# KiCad board default.kicad_pcb (continued)
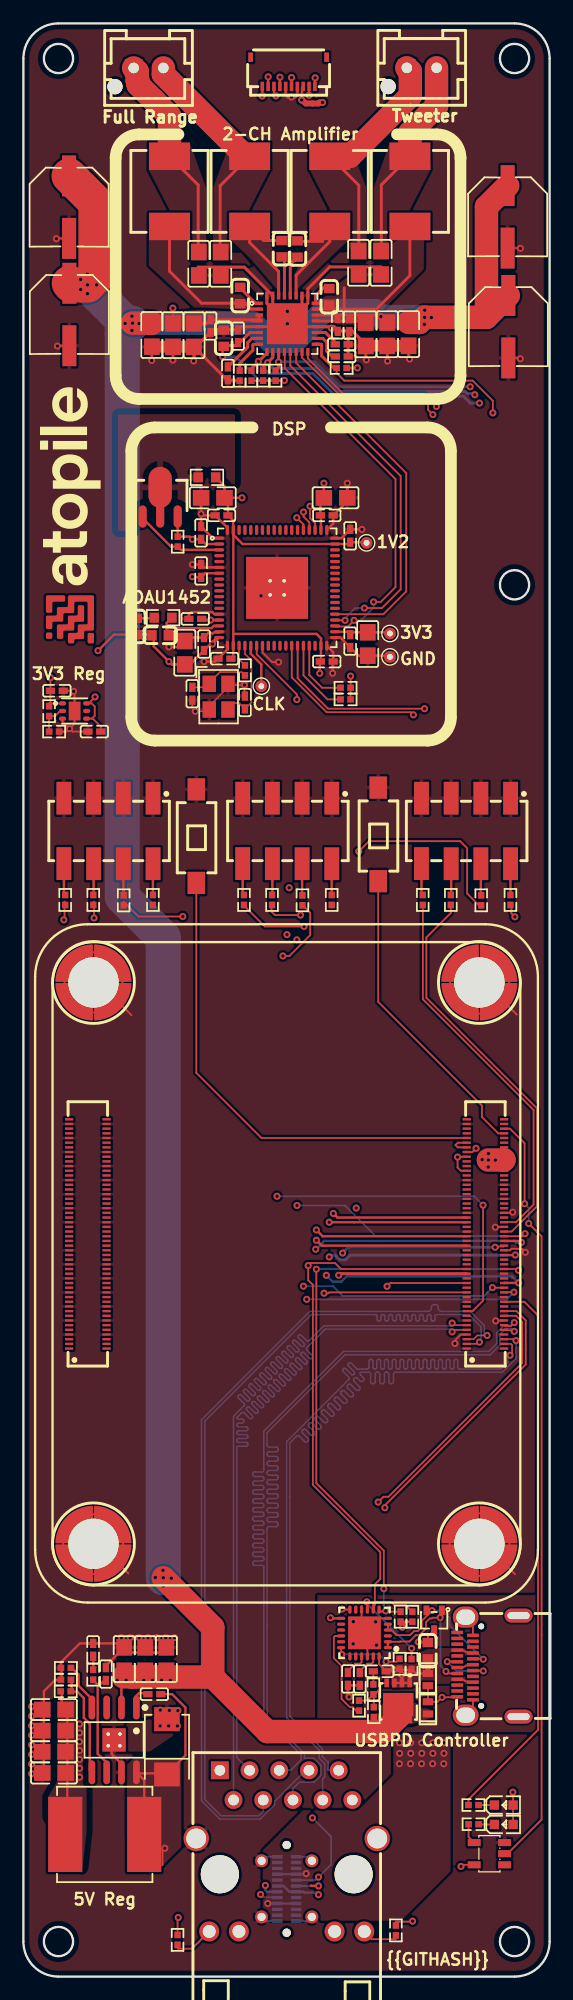
[diagram p0: board, top side]
## Library data of the parts (continued)
R28 = -: Datasheet: https://www.lcsc.com/datasheet/lcsc_datasheet_2206010216_UNI-ROYAL-Uniroyal-Elec-0402WGF1001TCE_C11702.pdf; checksum: eb5d8de69862a74833d082ba482c9c42baa94c5314705812978e3fb5c9b671f4; __atopile_lib_fp_hash__: e4c07550-8ad3-da56-fd91-a119e752eb6e; LCSC: C11702; Manufacturer: UNI-ROYAL(Uniroyal Elec); Partnumber: 0402WGF1001TCE; PARAM_max_power: {"type": "Quantity_Set_Discrete", "data": {"intervals": {"type": "Numeric_Interval_Disjoint", "data": {"intervals": [{"type": "Numeric_Interval", "data": {"min": 0.0625, "max": 0.0625}}]}}, "unit": "watt"}}; PARAM_max_voltage: {"type": "Quantity_Set_Discrete", "data": {"intervals": {"type": "Numeric_Interval_Disjoint", "data": {"intervals": [{"type": "Numeric_Interval", "data": {"min": 50.0, "max": 50.0}}]}}, "unit": "volt"}}; PARAM_resistance: {"type": "Quantity_Interval_Disjoint", "data": {"intervals": {"type": "Numeric_Interval_Disjoint", "data": {"intervals": [{"type": "Numeric_Interval", "data": {"min": 990.0000002235174, "max": 1009.9999997764826}}]}}, "unit": "ohm"}}; atopile_address: debug_headers[1].protection_resistors[1]; atopile_subaddresses: [.ato/modules/atopile/saleae-header/layouts/vertical/vertical.kicad_pcb:protection_resistors[1]]
R29 = -: Datasheet: https://www.lcsc.com/datasheet/lcsc_datasheet_2206010216_UNI-ROYAL-Uniroyal-Elec-0402WGF1001TCE_C11702.pdf; checksum: eb5d8de69862a74833d082ba482c9c42baa94c5314705812978e3fb5c9b671f4; __atopile_lib_fp_hash__: e4c07550-8ad3-da56-fd91-a119e752eb6e; LCSC: C11702; Manufacturer: UNI-ROYAL(Uniroyal Elec); Partnumber: 0402WGF1001TCE; PARAM_max_power: {"type": "Quantity_Set_Discrete", "data": {"intervals": {"type": "Numeric_Interval_Disjoint", "data": {"intervals": [{"type": "Numeric_Interval", "data": {"min": 0.0625, "max": 0.0625}}]}}, "unit": "watt"}}; PARAM_max_voltage: {"type": "Quantity_Set_Discrete", "data": {"intervals": {"type": "Numeric_Interval_Disjoint", "data": {"intervals": [{"type": "Numeric_Interval", "data": {"min": 50.0, "max": 50.0}}]}}, "unit": "volt"}}; PARAM_resistance: {"type": "Quantity_Interval_Disjoint", "data": {"intervals": {"type": "Numeric_Interval_Disjoint", "data": {"intervals": [{"type": "Numeric_Interval", "data": {"min": 990.0000002235174, "max": 1009.9999997764826}}]}}, "unit": "ohm"}}; atopile_address: debug_headers[1].protection_resistors[2]; atopile_subaddresses: [.ato/modules/atopile/saleae-header/layouts/vertical/vertical.kicad_pcb:protection_resistors[2]]
R30 = -: Datasheet: https://www.lcsc.com/datasheet/lcsc_datasheet_2206010216_UNI-ROYAL-Uniroyal-Elec-0402WGF1001TCE_C11702.pdf; checksum: eb5d8de69862a74833d082ba482c9c42baa94c5314705812978e3fb5c9b671f4; __atopile_lib_fp_hash__: e4c07550-8ad3-da56-fd91-a119e752eb6e; LCSC: C11702; Manufacturer: UNI-ROYAL(Uniroyal Elec); Partnumber: 0402WGF1001TCE; PARAM_max_power: {"type": "Quantity_Set_Discrete", "data": {"intervals": {"type": "Numeric_Interval_Disjoint", "data": {"intervals": [{"type": "Numeric_Interval", "data": {"min": 0.0625, "max": 0.0625}}]}}, "unit": "watt"}}; PARAM_max_voltage: {"type": "Quantity_Set_Discrete", "data": {"intervals": {"type": "Numeric_Interval_Disjoint", "data": {"intervals": [{"type": "Numeric_Interval", "data": {"min": 50.0, "max": 50.0}}]}}, "unit": "volt"}}; PARAM_resistance: {"type": "Quantity_Interval_Disjoint", "data": {"intervals": {"type": "Numeric_Interval_Disjoint", "data": {"intervals": [{"type": "Numeric_Interval", "data": {"min": 990.0000002235174, "max": 1009.9999997764826}}]}}, "unit": "ohm"}}; atopile_address: debug_headers[1].protection_resistors[3]; atopile_subaddresses: [.ato/modules/atopile/saleae-header/layouts/vertical/vertical.kicad_pcb:protection_resistors[3]]
R31 = -: Datasheet: https://www.lcsc.com/datasheet/lcsc_datasheet_2206010216_UNI-ROYAL-Uniroyal-Elec-0402WGF1001TCE_C11702.pdf; checksum: eb5d8de69862a74833d082ba482c9c42baa94c5314705812978e3fb5c9b671f4; __atopile_lib_fp_hash__: e4c07550-8ad3-da56-fd91-a119e752eb6e; LCSC: C11702; Manufacturer: UNI-ROYAL(Uniroyal Elec); Partnumber: 0402WGF1001TCE; PARAM_max_power: {"type": "Quantity_Set_Discrete", "data": {"intervals": {"type": "Numeric_Interval_Disjoint", "data": {"intervals": [{"type": "Numeric_Interval", "data": {"min": 0.0625, "max": 0.0625}}]}}, "unit": "watt"}}; PARAM_max_voltage: {"type": "Quantity_Set_Discrete", "data": {"intervals": {"type": "Numeric_Interval_Disjoint", "data": {"intervals": [{"type": "Numeric_Interval", "data": {"min": 50.0, "max": 50.0}}]}}, "unit": "volt"}}; PARAM_resistance: {"type": "Quantity_Interval_Disjoint", "data": {"intervals": {"type": "Numeric_Interval_Disjoint", "data": {"intervals": [{"type": "Numeric_Interval", "data": {"min": 990.0000002235174, "max": 1009.9999997764826}}]}}, "unit": "ohm"}}; atopile_address: debug_headers[2].protection_resistors[0]; atopile_subaddresses: [.ato/modules/atopile/saleae-header/layouts/vertical/vertical.kicad_pcb:protection_resistors[0]]
R32 = -: Datasheet: https://www.lcsc.com/datasheet/lcsc_datasheet_2206010216_UNI-ROYAL-Uniroyal-Elec-0402WGF1001TCE_C11702.pdf; checksum: eb5d8de69862a74833d082ba482c9c42baa94c5314705812978e3fb5c9b671f4; __atopile_lib_fp_hash__: e4c07550-8ad3-da56-fd91-a119e752eb6e; LCSC: C11702; Manufacturer: UNI-ROYAL(Uniroyal Elec); Partnumber: 0402WGF1001TCE; PARAM_max_power: {"type": "Quantity_Set_Discrete", "data": {"intervals": {"type": "Numeric_Interval_Disjoint", "data": {"intervals": [{"type": "Numeric_Interval", "data": {"min": 0.0625, "max": 0.0625}}]}}, "unit": "watt"}}; PARAM_max_voltage: {"type": "Quantity_Set_Discrete", "data": {"intervals": {"type": "Numeric_Interval_Disjoint", "data": {"intervals": [{"type": "Numeric_Interval", "data": {"min": 50.0, "max": 50.0}}]}}, "unit": "volt"}}; PARAM_resistance: {"type": "Quantity_Interval_Disjoint", "data": {"intervals": {"type": "Numeric_Interval_Disjoint", "data": {"intervals": [{"type": "Numeric_Interval", "data": {"min": 990.0000002235174, "max": 1009.9999997764826}}]}}, "unit": "ohm"}}; atopile_address: debug_headers[2].protection_resistors[1]; atopile_subaddresses: [.ato/modules/atopile/saleae-header/layouts/vertical/vertical.kicad_pcb:protection_resistors[1]]
R33 = -: Datasheet: https://www.lcsc.com/datasheet/lcsc_datasheet_2206010216_UNI-ROYAL-Uniroyal-Elec-0402WGF1001TCE_C11702.pdf; checksum: eb5d8de69862a74833d082ba482c9c42baa94c5314705812978e3fb5c9b671f4; __atopile_lib_fp_hash__: e4c07550-8ad3-da56-fd91-a119e752eb6e; LCSC: C11702; Manufacturer: UNI-ROYAL(Uniroyal Elec); Partnumber: 0402WGF1001TCE; PARAM_max_power: {"type": "Quantity_Set_Discrete", "data": {"intervals": {"type": "Numeric_Interval_Disjoint", "data": {"intervals": [{"type": "Numeric_Interval", "data": {"min": 0.0625, "max": 0.0625}}]}}, "unit": "watt"}}; PARAM_max_voltage: {"type": "Quantity_Set_Discrete", "data": {"intervals": {"type": "Numeric_Interval_Disjoint", "data": {"intervals": [{"type": "Numeric_Interval", "data": {"min": 50.0, "max": 50.0}}]}}, "unit": "volt"}}; PARAM_resistance: {"type": "Quantity_Interval_Disjoint", "data": {"intervals": {"type": "Numeric_Interval_Disjoint", "data": {"intervals": [{"type": "Numeric_Interval", "data": {"min": 990.0000002235174, "max": 1009.9999997764826}}]}}, "unit": "ohm"}}; atopile_address: debug_headers[2].protection_resistors[2]; atopile_subaddresses: [.ato/modules/atopile/saleae-header/layouts/vertical/vertical.kicad_pcb:protection_resistors[2]]
R34 = -: Datasheet: https://www.lcsc.com/datasheet/lcsc_datasheet_2206010216_UNI-ROYAL-Uniroyal-Elec-0402WGF1001TCE_C11702.pdf; checksum: eb5d8de69862a74833d082ba482c9c42baa94c5314705812978e3fb5c9b671f4; __atopile_lib_fp_hash__: e4c07550-8ad3-da56-fd91-a119e752eb6e; LCSC: C11702; Manufacturer: UNI-ROYAL(Uniroyal Elec); Partnumber: 0402WGF1001TCE; PARAM_max_power: {"type": "Quantity_Set_Discrete", "data": {"intervals": {"type": "Numeric_Interval_Disjoint", "data": {"intervals": [{"type": "Numeric_Interval", "data": {"min": 0.0625, "max": 0.0625}}]}}, "unit": "watt"}}; PARAM_max_voltage: {"type": "Quantity_Set_Discrete", "data": {"intervals": {"type": "Numeric_Interval_Disjoint", "data": {"intervals": [{"type": "Numeric_Interval", "data": {"min": 50.0, "max": 50.0}}]}}, "unit": "volt"}}; PARAM_resistance: {"type": "Quantity_Interval_Disjoint", "data": {"intervals": {"type": "Numeric_Interval_Disjoint", "data": {"intervals": [{"type": "Numeric_Interval", "data": {"min": 990.0000002235174, "max": 1009.9999997764826}}]}}, "unit": "ohm"}}; atopile_address: debug_headers[2].protection_resistors[3]; atopile_subaddresses: [.ato/modules/atopile/saleae-header/layouts/vertical/vertical.kicad_pcb:protection_resistors[3]]
R35 = -: Datasheet: https://www.lcsc.com/datasheet/lcsc_datasheet_2411221126_UNI-ROYAL-Uniroyal-Elec-0402WGF1002TCE_C25744.pdf; checksum: 6794d27730a4ff2200dab6be287e37b344d99a421712ea6a3ee1068f57fa7c12; __atopile_lib_fp_hash__: f67d9541-b893-78ac-aa2d-47e1c8a7e46a; LCSC: C25744; Manufacturer: UNI-ROYAL(Uniroyal Elec); Partnumber: 0402WGF1002TCE; PARAM_max_power: {"type": "Quantity_Set_Discrete", "data": {"intervals": {"type": "Numeric_Interval_Disjoint", "data": {"intervals": [{"type": "Numeric_Interval", "data": {"min": 0.0625, "max": 0.0625}}]}}, "unit": "watt"}}; PARAM_max_voltage: {"type": "Quantity_Set_Discrete", "data": {"intervals": {"type": "Numeric_Interval_Disjoint", "data": {"intervals": [{"type": "Numeric_Interval", "data": {"min": 50.0, "max": 50.0}}]}}, "unit": "volt"}}; PARAM_resistance: {"type": "Quantity_Interval_Disjoint", "data": {"intervals": {"type": "Numeric_Interval_Disjoint", "data": {"intervals": [{"type": "Numeric_Interval", "data": {"min": 9900.000002235174, "max": 10099.999997764826}}]}}, "unit": "ohm"}}; atopile_address: regulator_3v3.feedback_divider.r_bottom; atopile_subaddresses: [.ato/modules/atopile/ti-tlv75901/layouts/default/default.kicad_pcb:feedback_divider.r_bottom]
R36 = -: Datasheet: https://www.lcsc.com/datasheet/lcsc_datasheet_2206010100_UNI-ROYAL-Uniroyal-Elec-0402WGF4702TCE_C25792.pdf; checksum: 7ef7ac186f4857dc855bf9e50ac7f77968e638d0dc20fdc55045e289fd74bf18; __atopile_lib_fp_hash__: a6cdf3b5-1f3f-3efd-4962-498562eaa81b; LCSC: C25792; Manufacturer: UNI-ROYAL(Uniroyal Elec); Partnumber: 0402WGF4702TCE; PARAM_max_power: {"type": "Quantity_Set_Discrete", "data": {"intervals": {"type": "Numeric_Interval_Disjoint", "data": {"intervals": [{"type": "Numeric_Interval", "data": {"min": 0.0625, "max": 0.0625}}]}}, "unit": "watt"}}; PARAM_max_voltage: {"type": "Quantity_Set_Discrete", "data": {"intervals": {"type": "Numeric_Interval_Disjoint", "data": {"intervals": [{"type": "Numeric_Interval", "data": {"min": 50.0, "max": 50.0}}]}}, "unit": "volt"}}; PARAM_resistance: {"type": "Quantity_Interval_Disjoint", "data": {"intervals": {"type": "Numeric_Interval_Disjoint", "data": {"intervals": [{"type": "Numeric_Interval", "data": {"min": 46530.00001050532, "max": 47469.99998949468}}]}}, "unit": "ohm"}}; atopile_address: regulator_3v3.feedback_divider.r_top; atopile_subaddresses: [.ato/modules/atopile/ti-tlv75901/layouts/default/default.kicad_pcb:feedback_divider.r_top]
R37 = -: Datasheet: https://www.lcsc.com/datasheet/lcsc_datasheet_2411221126_UNI-ROYAL-Uniroyal-Elec-0402WGF1002TCE_C25744.pdf; checksum: 6794d27730a4ff2200dab6be287e37b344d99a421712ea6a3ee1068f57fa7c12; __atopile_lib_fp_hash__: f67d9541-b893-78ac-aa2d-47e1c8a7e46a; LCSC: C25744; Manufacturer: UNI-ROYAL(Uniroyal Elec); Partnumber: 0402WGF1002TCE; PARAM_max_power: {"type": "Quantity_Set_Discrete", "data": {"intervals": {"type": "Numeric_Interval_Disjoint", "data": {"intervals": [{"type": "Numeric_Interval", "data": {"min": 0.0625, "max": 0.0625}}]}}, "unit": "watt"}}; PARAM_max_voltage: {"type": "Quantity_Set_Discrete", "data": {"intervals": {"type": "Numeric_Interval_Disjoint", "data": {"intervals": [{"type": "Numeric_Interval", "data": {"min": 50.0, "max": 50.0}}]}}, "unit": "volt"}}; PARAM_resistance: {"type": "Quantity_Interval_Disjoint", "data": {"intervals": {"type": "Numeric_Interval_Disjoint", "data": {"intervals": [{"type": "Numeric_Interval", "data": {"min": 9900.000002235174, "max": 10099.999997764826}}]}}, "unit": "ohm"}}; atopile_address: regulator_5v.feedback_divider.r_bottom; atopile_subaddresses: [.ato/modules/atopile/ti-tps54560x/layouts/default/default.kicad_pcb:feedback_divider.r_bottom]
R38 = -: Datasheet: https://www.lcsc.com/datasheet/lcsc_datasheet_2206010216_UNI-ROYAL-Uniroyal-Elec-0402WGF5492TCE_C11626.pdf; checksum: b140a35b0518b087ac64e17b77e46332d04a93e312ed685fd0101f719ac35c1c; __atopile_lib_fp_hash__: 4b07c171-b0d7-5f49-a841-4d7199149b4b; LCSC: C11626; Manufacturer: UNI-ROYAL(Uniroyal Elec); Partnumber: 0402WGF5492TCE; PARAM_max_power: {"type": "Quantity_Set_Discrete", "data": {"intervals": {"type": "Numeric_Interval_Disjoint", "data": {"intervals": [{"type": "Numeric_Interval", "data": {"min": 0.0625, "max": 0.0625}}]}}, "unit": "watt"}}; PARAM_max_voltage: {"type": "Quantity_Set_Discrete", "data": {"intervals": {"type": "Numeric_Interval_Disjoint", "data": {"intervals": [{"type": "Numeric_Interval", "data": {"min": 50.0, "max": 50.0}}]}}, "unit": "volt"}}; PARAM_resistance: {"type": "Quantity_Interval_Disjoint", "data": {"intervals": {"type": "Numeric_Interval_Disjoint", "data": {"intervals": [{"type": "Numeric_Interval", "data": {"min": 54351.000012271106, "max": 55448.999987728894}}]}}, "unit": "ohm"}}; atopile_address: regulator_5v.feedback_divider.r_top; atopile_subaddresses: [.ato/modules/atopile/ti-tps54560x/layouts/default/default.kicad_pcb:feedback_divider.r_top]
R40 = -: Datasheet: https://www.lcsc.com/datasheet/lcsc_datasheet_2411221126_UNI-ROYAL-Uniroyal-Elec-0402WGF1002TCE_C25744.pdf; checksum: 6794d27730a4ff2200dab6be287e37b344d99a421712ea6a3ee1068f57fa7c12; __atopile_lib_fp_hash__: f67d9541-b893-78ac-aa2d-47e1c8a7e46a; LCSC: C25744; Manufacturer: UNI-ROYAL(Uniroyal Elec); Partnumber: 0402WGF1002TCE; PARAM_max_power: {"type": "Quantity_Set_Discrete", "data": {"intervals": {"type": "Numeric_Interval_Disjoint", "data": {"intervals": [{"type": "Numeric_Interval", "data": {"min": 0.0625, "max": 0.0625}}]}}, "unit": "watt"}}; PARAM_max_voltage: {"type": "Quantity_Set_Discrete", "data": {"intervals": {"type": "Numeric_Interval_Disjoint", "data": {"intervals": [{"type": "Numeric_Interval", "data": {"min": 50.0, "max": 50.0}}]}}, "unit": "volt"}}; PARAM_resistance: {"type": "Quantity_Interval_Disjoint", "data": {"intervals": {"type": "Numeric_Interval_Disjoint", "data": {"intervals": [{"type": "Numeric_Interval", "data": {"min": 9900.000002235174, "max": 10099.999997764826}}]}}, "unit": "ohm"}}; atopile_address: addr_resistors[0]
R41 = -: Datasheet: https://www.lcsc.com/datasheet/lcsc_datasheet_2411221126_UNI-ROYAL-Uniroyal-Elec-0402WGF1002TCE_C25744.pdf; checksum: 6794d27730a4ff2200dab6be287e37b344d99a421712ea6a3ee1068f57fa7c12; __atopile_lib_fp_hash__: f67d9541-b893-78ac-aa2d-47e1c8a7e46a; LCSC: C25744; Manufacturer: UNI-ROYAL(Uniroyal Elec); Partnumber: 0402WGF1002TCE; PARAM_max_power: {"type": "Quantity_Set_Discrete", "data": {"intervals": {"type": "Numeric_Interval_Disjoint", "data": {"intervals": [{"type": "Numeric_Interval", "data": {"min": 0.0625, "max": 0.0625}}]}}, "unit": "watt"}}; PARAM_max_voltage: {"type": "Quantity_Set_Discrete", "data": {"intervals": {"type": "Numeric_Interval_Disjoint", "data": {"intervals": [{"type": "Numeric_Interval", "data": {"min": 50.0, "max": 50.0}}]}}, "unit": "volt"}}; PARAM_resistance: {"type": "Quantity_Interval_Disjoint", "data": {"intervals": {"type": "Numeric_Interval_Disjoint", "data": {"intervals": [{"type": "Numeric_Interval", "data": {"min": 9900.000002235174, "max": 10099.999997764826}}]}}, "unit": "ohm"}}; atopile_address: addr_resistors[1]
RJ1 = -: Datasheet: https://www.lcsc.com/datasheet/lcsc_datasheet_1811141815_HANRUN-Zhongshan-HanRun-Elec-HR911130A_C54408.pdf; checksum: 5118d974513d060faf93404d4385d5a215ff9a21afa3d3881b0958ee3f0b66a6; __atopile_lib_fp_hash__: b81098d2-4e9f-e046-4333-b0b2b0220bb0; LCSC: C54408; Manufacturer: HANRUN(Zhongshan HanRun Elec); Partnumber: HR911130A; atopile_address: cm5.rj45.connector; atopile_subaddresses: [.ato/modules/atopile/rpi-cm5/layouts/cm5/cm5.kicad_pcb:rj45.connector]
SW1 = -: Datasheet: https://www.lcsc.com/datasheet/lcsc_datasheet_2002271735_XKB-Connection-TS-1101-C-W_C318938.pdf; checksum: fb601b0ee910444d6b294df3e9caca1c561819e7e5acff0d13ed6812ce74bf33; __atopile_lib_fp_hash__: 6ec72ffd-065d-e98c-1b2a-658f3b07106c; LCSC: C318938; Manufacturer: XKB Connectivity; Partnumber: TS-1101-C-W; atopile_address: cm5.boot_mode_switch.switch; atopile_subaddresses: [.ato/modules/atopile/rpi-cm5/layouts/cm5/cm5.kicad_pcb:boot_mode_switch.switch]
SW2 = -: Datasheet: https://www.lcsc.com/datasheet/lcsc_datasheet_2002271735_XKB-Connection-TS-1101-C-W_C318938.pdf; checksum: fb601b0ee910444d6b294df3e9caca1c561819e7e5acff0d13ed6812ce74bf33; __atopile_lib_fp_hash__: 6ec72ffd-065d-e98c-1b2a-658f3b07106c; LCSC: C318938; Manufacturer: XKB Connectivity; Partnumber: TS-1101-C-W; atopile_address: cm5.power_button_switch.switch; atopile_subaddresses: [.ato/modules/atopile/rpi-cm5/layouts/cm5/cm5.kicad_pcb:power_button_switch.switch]
TP1 = -: __atopile_lib_fp_hash__: 44b42f23-6a4d-6ebe-77f7-55a5cab340cf; atopile_address: dsp.tp_clockout; atopile_subaddresses: [.ato/modules/atopile/adi-adau145x/layouts/default/default.kicad_pcb:tp_clockout]
TP2 = -: __atopile_lib_fp_hash__: 44b42f23-6a4d-6ebe-77f7-55a5cab340cf; atopile_address: dsp.tp_gnd; atopile_subaddresses: [.ato/modules/atopile/adi-adau145x/layouts/default/default.kicad_pcb:tp_gnd]
TP3 = -: __atopile_lib_fp_hash__: 44b42f23-6a4d-6ebe-77f7-55a5cab340cf; atopile_address: dsp.tp_power; atopile_subaddresses: [.ato/modules/atopile/adi-adau145x/layouts/default/default.kicad_pcb:tp_power]
TP4 = -: __atopile_lib_fp_hash__: 44b42f23-6a4d-6ebe-77f7-55a5cab340cf; atopile_address: dsp.tp_power_digital; atopile_subaddresses: [.ato/modules/atopile/adi-adau145x/layouts/default/default.kicad_pcb:tp_power_digital]
U1 = -: checksum: 836512fa499b0fc3b15ad023327a8d7d0788e7e22e5473510deed7ac4ac07c7c; __atopile_lib_fp_hash__: 761e7f6d-6206-d33c-d0d8-452e303c684c; LCSC: C471049; Manufacturer: Texas Instruments; Partnumber: TAS5825MRHBR; atopile_address: amplifier.amplifier; atopile_subaddresses: [.ato/modules/atopile/ti-tas5825mrhbr/layouts/default/default.kicad_pcb:amplifier]
U2 = -: Datasheet: https://www.lcsc.com/datasheet/lcsc_datasheet_1809251740_Texas-Instruments-SN74LVC1G07DBVR_C7829.pdf; checksum: 04775d588133e3d2d3c38c630e92f9186f092de363cd5d8c9b5941e5ce30c53e; __atopile_lib_fp_hash__: 97647080-4b0a-1987-80c6-56a81a6fe7cf; LCSC: C7829; Manufacturer: Texas Instruments; Partnumber: SN74LVC1G07DBVR; atopile_address: cm5.cm5.power_led_buffer.ic; atopile_subaddresses: [.ato/modules/atopile/rpi-cm5/layouts/cm5/cm5.kicad_pcb:cm5.power_led_buffer.ic]
U3 = -: Datasheet: https://wmsc.lcsc.com/wmsc/upload/file/pdf/v2/lcsc/2111221230_Sinhoo-SMTSO2515CTJ_C2915629.pdf; checksum: f6a965bd950f33cd2aa82383f5b4123d5ab56301c2ee1483f00f8f62da7e889a; __atopile_lib_fp_hash__: 8f41ca1a-b0f6-5db0-1086-a9f6c6dbfad1; LCSC: C2915629; Manufacturer: Sinhoo; Partnumber: SMTSO2515CTJ; atopile_address: cm5.stud1; atopile_subaddresses: [.ato/modules/atopile/rpi-cm5/layouts/cm5/cm5.kicad_pcb:stud1]
U4 = -: Datasheet: https://wmsc.lcsc.com/wmsc/upload/file/pdf/v2/lcsc/2111221230_Sinhoo-SMTSO2515CTJ_C2915629.pdf; checksum: f6a965bd950f33cd2aa82383f5b4123d5ab56301c2ee1483f00f8f62da7e889a; __atopile_lib_fp_hash__: 8f41ca1a-b0f6-5db0-1086-a9f6c6dbfad1; LCSC: C2915629; Manufacturer: Sinhoo; Partnumber: SMTSO2515CTJ; atopile_address: cm5.stud2; atopile_subaddresses: [.ato/modules/atopile/rpi-cm5/layouts/cm5/cm5.kicad_pcb:stud2]
U5 = -: Datasheet: https://wmsc.lcsc.com/wmsc/upload/file/pdf/v2/lcsc/2111221230_Sinhoo-SMTSO2515CTJ_C2915629.pdf; checksum: f6a965bd950f33cd2aa82383f5b4123d5ab56301c2ee1483f00f8f62da7e889a; __atopile_lib_fp_hash__: 8f41ca1a-b0f6-5db0-1086-a9f6c6dbfad1; LCSC: C2915629; Manufacturer: Sinhoo; Partnumber: SMTSO2515CTJ; atopile_address: cm5.stud3; atopile_subaddresses: [.ato/modules/atopile/rpi-cm5/layouts/cm5/cm5.kicad_pcb:stud3]
U6 = -: Datasheet: https://wmsc.lcsc.com/wmsc/upload/file/pdf/v2/lcsc/2111221230_Sinhoo-SMTSO2515CTJ_C2915629.pdf; checksum: f6a965bd950f33cd2aa82383f5b4123d5ab56301c2ee1483f00f8f62da7e889a; __atopile_lib_fp_hash__: 8f41ca1a-b0f6-5db0-1086-a9f6c6dbfad1; LCSC: C2915629; Manufacturer: Sinhoo; Partnumber: SMTSO2515CTJ; atopile_address: cm5.stud4; atopile_subaddresses: [.ato/modules/atopile/rpi-cm5/layouts/cm5/cm5.kicad_pcb:stud4]
U7 = -: Datasheet: https://lcsc.com/datasheet/lcsc_datasheet_2410121845_TI-TPS54560DDAR_C31966.pdf; checksum: e220fbe75ad7324d05db8a57435dc0c96281e07bbc63ee9b8a4248219401f14e; __atopile_lib_fp_hash__: 7e9e9ef6-36ef-ca92-932c-5e63af9454bb; LCSC: C31966; Manufacturer: Texas Instruments; Partnumber: TPS54560DDAR; atopile_address: regulator_5v.package; atopile_subaddresses: [.ato/modules/atopile/ti-tps54560x/layouts/default/default.kicad_pcb:package]
U20 = -: Datasheet: https://www.lcsc.com/datasheet/lcsc_datasheet_2106070703_STMicroelectronics-STUSB4500QTR_C2678061.pdf; checksum: b8808c2229b68793389bb3e0760e5ffade582ce6140f840d4d800818bbc08593; __atopile_lib_fp_hash__: 10d5fdcf-7670-b959-5815-423b13112c9e; LCSC: C2678061; Manufacturer: STMicroelectronics; Partnumber: STUSB4500QTR; atopile_address: pd_controller.pd_controller.pd_controller; atopile_subaddresses: [.ato/modules/atopile/st-stusb4500/layouts/default/default.kicad_pcb:pd_controller.pd_controller]
U21 = -: checksum: fbfd4f89dce1e19039fc0ccbeb40b80909dfe60271d981116e1185097ad63282; __atopile_lib_fp_hash__: 6302a738-56d1-b37f-34f1-9f63b9b66cf6; LCSC: C265077; Manufacturer: JST Sales America; Partnumber: B02B-XASK-1-A(LF)(SN); atopile_address: full_range_speaker_connector
U22 = -: checksum: fbfd4f89dce1e19039fc0ccbeb40b80909dfe60271d981116e1185097ad63282; __atopile_lib_fp_hash__: 6302a738-56d1-b37f-34f1-9f63b9b66cf6; LCSC: C265077; Manufacturer: JST Sales America; Partnumber: B02B-XASK-1-A(LF)(SN); atopile_address: tweeter_speaker_connector
U23 = -: checksum: cb07266436b40bcf114bc68fd9e9b0dafff925bc053beb0c21196bffdb3e0bf9; __atopile_lib_fp_hash__: 37169317-9bcd-8c21-45f0-f209039e89d6; LCSC: C5342428; Manufacturer: HCTL; Partnumber: HC-TYPE-C-24P-VS9.3-5A-F1.1-04; atopile_address: usb_connector.connector
U24 = -: checksum: cd02849b900f17891bc11f0d0ca170306624a9a4a616aeba9dc4b6e85bc324ab; __atopile_lib_fp_hash__: 0bbaee77-a887-138d-5cd6-9295a951a138; LCSC: C403699; Manufacturer: Analog Devices; Partnumber: ADAU1452WBCPZ; atopile_address: dsp.model.package.specific_package; atopile_subaddresses: [.ato/modules/atopile/adi-adau145x/layouts/default/default.kicad_pcb:model.package.specific_package]
U25 = -: Datasheet: https://www.ti.com/cn/lit/gpn/tlv759p; checksum: 254770d56743377938830c26b0ba65427150cf40c053928f9cd843d4aaef00af; __atopile_lib_fp_hash__: 314799ee-c636-92a7-5b38-ef8628a465de; LCSC: C544759; Manufacturer: Texas Instruments; Partnumber: TLV75901PDRVR; atopile_address: regulator_3v3.package; atopile_subaddresses: [.ato/modules/atopile/ti-tlv75901/layouts/default/default.kicad_pcb:package]
USB1 = -: Datasheet: https://www.lcsc.com/datasheet/lcsc_datasheet_2110151730_XKB-Connection-U262-241N-4BV64_C388660.pdf; checksum: 1168794e59bd5a09fcaefebe7a30f59efd751cd9e43086b5b13a4b324c95812b; __atopile_lib_fp_hash__: f77c54ab-0f1c-32d7-2eaf-9cfc313fae19; LCSC: C388660; Manufacturer: XKB Connectivity; Partnumber: U262-241N-4BV64; atopile_address: pd_controller.usb_connector; atopile_subaddresses: [.ato/modules/atopile/st-stusb4500/layouts/default/default.kicad_pcb:usb_connector]
X1 = -: checksum: 0b72268928aadab294bcbc79370513338a2e68e84b27306af4ed1c8712cf6b0b; __atopile_lib_fp_hash__: 75651bef-f44b-c468-259b-b42b9ae8b23e; LCSC: C362472; Manufacturer: TAE; Partnumber: TXM12.288M0004322FBCDO00T; atopile_address: dsp.oscillator_driver.xtal.xtal; atopile_subaddresses: [.ato/modules/atopile/adi-adau145x/layouts/default/default.kicad_pcb:oscillator_driver.xtal.xtal]

## Footprints (pads in the part's own frame, mm; a bottom-side part is the same pattern mirrored in y, then rotated)
C0402
  rect 0.79x0.54 smd: 1(-0.55,0) 2(0.55,0)
C0603
  rect 0.8x0.9 smd: 1(-0.7,0) 2(0.7,0)
C0805
  rect 1.41x1.35 smd: 1(-1,0) 2(1,0)
CAP-SMD_BD6.3-L6.6-W6.6-FD
  rect 3.5x1.2 smd: 1(-2.67,0) 2(2.67,0)
CONN-SMD_DF40C-100DS-0.4V-51
  rect 0.2x0.7 smd: 1(9.8,-1.6) 2(9.4,-1.6) 3(9,-1.6) 4(8.6,-1.6) 5(8.2,-1.6) 6(7.8,-1.6) 7(7.4,-1.6) 8(7,-1.6) 9(6.6,-1.6) 10(6.2,-1.6) 11(5.8,-1.6) 12(5.4,-1.6) 13(5,-1.6) 14(4.6,-1.6) 15(4.2,-1.6) 16(3.8,-1.6) 17(3.4,-1.6) 18(3,-1.6) 19(2.6,-1.6) 20(2.2,-1.6) 21(1.8,-1.6) 22(1.4,-1.6) 23(1,-1.6) 24(0.6,-1.6) 25(0.2,-1.6) 26(-0.2,-1.6) 27(-0.6,-1.6) 28(-1,-1.6) 29(-1.4,-1.6) 30(-1.8,-1.6) 31(-2.2,-1.6) 32(-2.6,-1.6) 33(-3,-1.6) 34(-3.4,-1.6) 35(-3.8,-1.6) 36(-4.2,-1.6) 37(-4.6,-1.6) 38(-5,-1.6) 39(-5.4,-1.6) 40(-5.8,-1.6) 41(-6.2,-1.6) 42(-6.6,-1.6) 43(-7,-1.6) 44(-7.4,-1.6) 45(-7.8,-1.6) 46(-8.2,-1.6) 47(-8.6,-1.6) 48(-9,-1.6) 49(-9.4,-1.6) 50(-9.8,-1.6) 51(-9.8,1.6) 52(-9.4,1.6) 53(-9,1.6) 54(-8.6,1.6) 55(-8.2,1.6) 56(-7.8,1.6) 57(-7.4,1.6) 58(-7,1.6) 59(-6.6,1.6) 60(-6.2,1.6) 61(-5.8,1.6) 62(-5.4,1.6) 63(-5,1.6) 64(-4.6,1.6) 65(-4.2,1.6) 66(-3.8,1.6) 67(-3.4,1.6) 68(-3,1.6) 69(-2.6,1.6) 70(-2.2,1.6) 71(-1.8,1.6) 72(-1.4,1.6) 73(-1,1.6) 74(-0.6,1.6) 75(-0.2,1.6) 76(0.2,1.6) 77(0.6,1.6) 78(1,1.6) 79(1.4,1.6) 80(1.8,1.6) 81(2.2,1.6) 82(2.6,1.6) 83(3,1.6) 84(3.4,1.6) 85(3.8,1.6) 86(4.2,1.6) 87(4.6,1.6) 88(5,1.6) 89(5.4,1.6) 90(5.8,1.6) 91(6.2,1.6) 92(6.6,1.6) 93(7,1.6) 94(7.4,1.6) 95(7.8,1.6) 96(8.2,1.6) 97(8.6,1.6) 98(9,1.6) 99(9.4,1.6) 100(9.8,1.6)
